# Altium PCB BB.PcbDoc (part 2 of 9)
Units mil, origin at the board's own origin, x right, y up, seen from the top; angles counter-clockwise.
Board outline 6860 x 3500 mil, 6 copper layers (Component Side, Ground Plane (GND), Inner Layer 1, Inner Layer 2, Power Plane (VCC), Solder Side), stack 51.068 mil thick; 496 components, 500 nets, 2194 pads, 1226 vias.
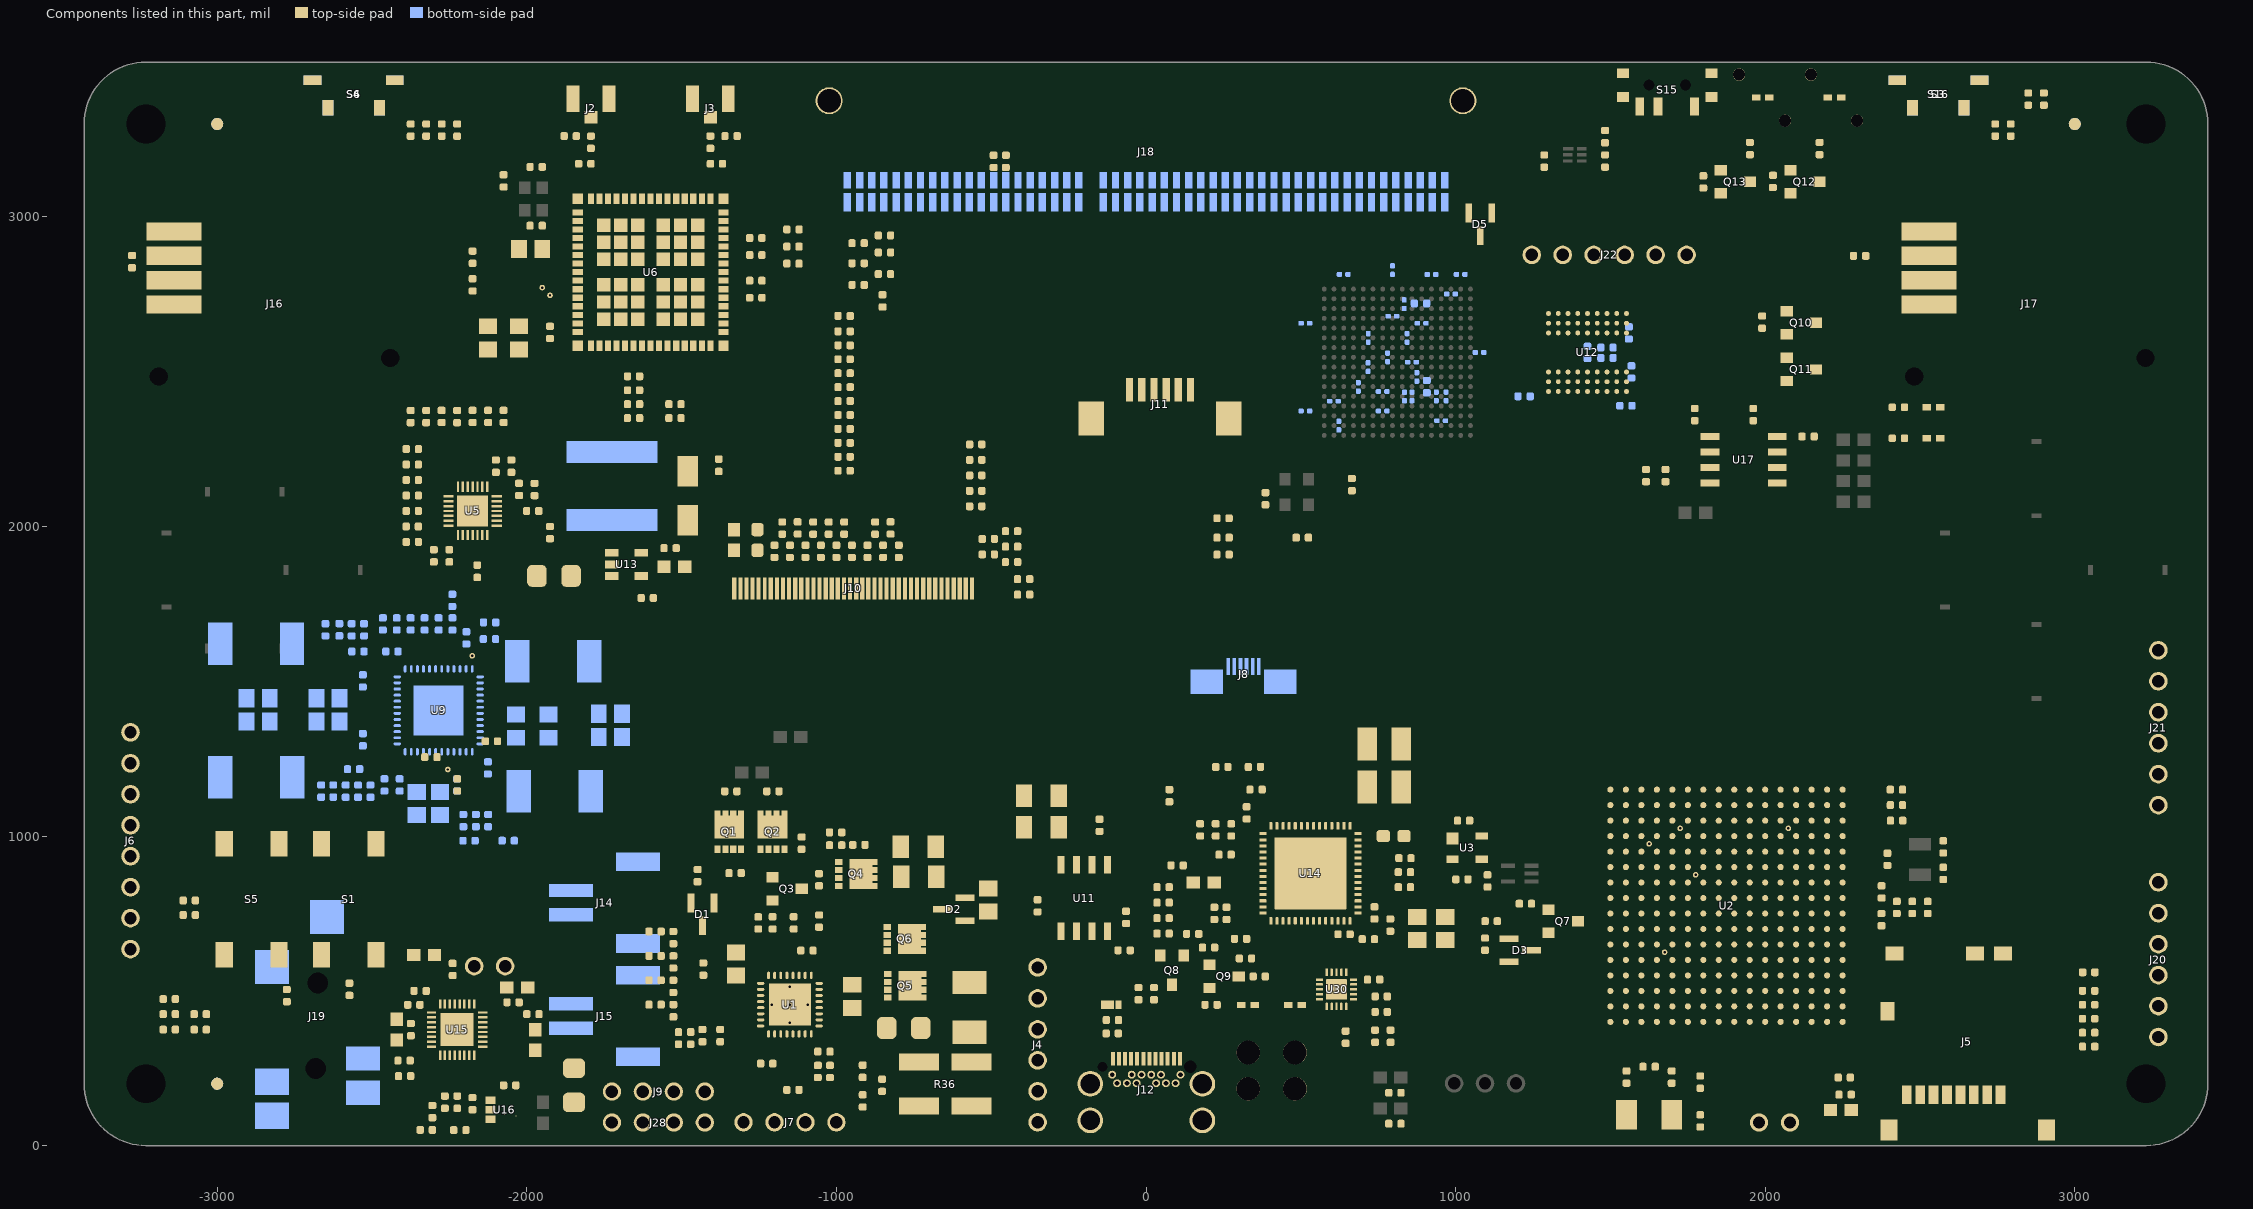
[diagram p6: the components of this part, seen from the top]

## Footprints (in the part's own frame and the unit in brackets; to place one, negate y for a bottom-side part, rotate by r counter-clockwise, add the part's x,y. Pads: shape width x height; smd on the part's side, far side on the other; paste and mask are expansions set on the pad) (continued)
MEC1-150-XX-XX-D-RAX-SL [mil]
  rect 24x53 smd mask+2: 1(-964.57,381.5) 3(-925.2,381.5) 5(-885.83,381.5) 7(-846.46,381.5) 9(-807.09,381.5) 11(-767.72,381.5) 13(-728.35,381.5) 15(-688.98,381.5) 17(-649.61,381.5) 19(-610.24,381.5) 21(-570.87,381.5) 23(-531.5,381.5) 25(-492.13,381.5) 27(-452.76,381.5) 29(-413.39,381.5) 31(-374.02,381.5) 33(-334.65,381.5) 35(-295.28,381.5) 37(-255.91,381.5) 39(-216.54,381.5) 41(-137.8,381.5) 43(-98.43,381.5) 45(-59.06,381.5) 47(-19.69,381.5) 49(19.68,381.5) 51(59.05,381.5) 53(98.42,381.5) 55(137.79,381.5) 57(177.16,381.5) 59(216.53,381.5) 61(255.9,381.5) 63(295.27,381.5) 65(334.64,381.5) 67(374.01,381.5) 69(413.38,381.5) 71(452.75,381.5) 73(492.12,381.5) 75(531.49,381.5) 77(570.86,381.5) 79(610.23,381.5) 81(649.6,381.5) 83(688.97,381.5) 85(728.34,381.5) 87(767.71,381.5) 89(807.08,381.5) 91(846.45,381.5) 93(885.82,381.5) 95(925.19,381.5) 97(964.56,381.5)
  rect 24x60 smd mask+2: 2(-964.57,453) 4(-925.2,453) 6(-885.83,453) 8(-846.46,453) 10(-807.09,453) 12(-767.72,453) 14(-728.35,453) 16(-688.98,453) 18(-649.61,453) 20(-610.24,453) 22(-570.87,453) 24(-531.5,453) 26(-492.13,453) 28(-452.76,453) 30(-413.39,453) 32(-374.02,453) 34(-334.65,453) 36(-295.28,453) 38(-255.91,453) 40(-216.54,453) 42(-137.8,453) 44(-98.43,453) 46(-59.06,453) 48(-19.69,453) 50(19.68,453) 52(59.05,453) 54(98.42,453) 56(137.79,453) 58(177.16,453) 60(216.53,453) 62(255.9,453) 64(295.27,453) 66(334.64,453) 68(374.01,453) 70(413.38,453) 72(452.75,453) 74(492.12,453) 76(531.49,453) 78(570.86,453) 80(610.23,453) 82(649.6,453) 84(688.97,453) 86(728.34,453) 88(767.71,453) 90(807.08,453) 92(846.45,453) 94(885.82,453) 96(925.19,453) 98(964.56,453)
  round 87 hole 76 mask+3: G1(-1023.62,125) G2(1023.62,125)
  Component Side region: 1023.62,25 1018.62,25 1018.62,80 1023.62,80 1023.62,25
  Component Side region: 987.66,31.66 983.04,33.57 1004.09,84.38 1008.71,82.47 987.66,31.66
  Component Side region: 954.68,52.52 951.14,56.06 990.03,94.95 993.57,91.41 954.68,52.52
  Component Side region: 932.19,84.42 930.28,89.04 981.09,110.09 983,105.47 932.19,84.42
  Component Side region: 923.62,122.5 923.62,127.5 978.62,127.5 978.62,122.5 923.62,122.5
  Component Side region: 929.32,158.65 931.23,163.27 982.05,142.22 980.13,137.6 929.32,158.65
  Component Side region: 949.37,192.18 952.91,195.71 991.8,156.82 988.26,153.28 949.37,192.18
  Component Side region: 980.73,215.47 985.35,217.39 1006.4,166.57 1001.78,164.66 980.73,215.47
  Component Side region: 1018.62,225 1023.62,225 1023.62,170 1018.62,170 1018.62,225
  Component Side region: 1023.62,175 1023.62,163.33 1013.7,162.02 1004.46,158.19 996.52,152.1 990.43,144.16 986.6,134.92 985.29,125 986.6,115.08 990.43,105.84 996.52,97.9 1004.46,91.81 1013.7,87.98 1023.62,86.67 1023.62,87 1023.62,74.57 1010.57,76.29 998.4,81.33 987.96,89.34 979.95,99.78 974.91,111.95 973.19,125 974.91,138.05 979.95,150.22 987.96,160.66 998.4,168.67 1010.57,173.71 1023.62,175.43 1023.62,175
  Component Side region: -1023.62,225 -1018.62,225 -1018.62,170 -1023.62,170 -1023.62,225
  Component Side region: -987.66,218.34 -983.04,216.43 -1004.09,165.62 -1008.71,167.53 -987.66,218.34
  Component Side region: -954.68,197.48 -951.14,193.94 -990.03,155.05 -993.57,158.59 -954.68,197.48
  Component Side region: -932.19,165.58 -930.28,160.96 -981.09,139.91 -983,144.53 -932.19,165.58
  Component Side region: -923.62,127.5 -923.62,122.5 -978.62,122.5 -978.62,127.5 -923.62,127.5
  Component Side region: -929.32,91.35 -931.23,86.73 -982.05,107.78 -980.13,112.4 -929.32,91.35
  Component Side region: -949.37,57.82 -952.91,54.29 -991.8,93.18 -988.26,96.72 -949.37,57.82
  Component Side region: -980.73,34.53 -985.35,32.61 -1006.4,83.43 -1001.78,85.34 -980.73,34.53
  Component Side region: -1018.62,25 -1023.62,25 -1023.62,80 -1018.62,80 -1018.62,25
  Component Side region: -1023.62,75 -1023.62,86.67 -1013.7,87.98 -1004.46,91.81 -996.52,97.9 -990.43,105.84 -986.6,115.08 -985.29,125 -986.6,134.92 -990.43,144.16 -996.52,152.1 -1004.46,158.19 -1013.7,162.02 -1023.62,163.33 -1023.62,163 -1023.62,175.43 -1010.57,173.71 -998.4,168.67 -987.96,160.66 -979.95,150.22 -974.91,138.05 -973.19,125 -974.91,111.95 -979.95,99.78 -987.96,89.34 -998.4,81.33 -1010.57,76.29 -1023.62,74.57 -1023.62,75
  silkscreen extent -1094,20 1094,493, body extent -1074,0 1073,471, height 272
MF05A_N [mm] "SOT23, 5-Leads, Body 2.9x1.6mm, Pitch 0.95mm, Lead Span 2.8mm, IPC Medium Density"
  rect 1.1x0.65 smd: 1(-1.2,0.95) 2(-1.2,0) 3(-1.2,-0.95) 4(1.2,-0.95) 5(1.2,0.95)
  silkscreen extent -1.32,-1.5 0.25,1.95, body extent -0.84,-1.49 0.84,1.5, height 1.19
"MICRO SD" [mm] "MICRO SD"
  rect 0.8x1.5 smd mask+0.05: 1(4.45,-3.75) 2(5.55,-3.75) 3(6.65,-3.75) 4(7.75,-3.75) 5(8.85,-3.75) 6(9.95,-3.75) 7(11.05,-3.75) 8(12.15,-3.75)
  rect 1.15x1.5 smd: 9(13.73,-10.6)
  rect 1.5x1.15 smd: 10(6.55,-15.325) S(4.25,-15.325) S(13.15,-15.325)
  rect 1.4x1.7 smd: S(0.7,-0.85) S(13.6,-0.85)
  Mechanical 1 keep-out region: 13.35,-9.65 13.85,-9.65 13.85,-8.65 13.35,-8.65
  Mechanical 1 keep-out region: 14.05,-13.15 11.15,-13.15 11.15,-14.55 14.05,-14.55
  Mechanical 1 keep-out region: 7.5,-15.45 8.5,-15.45 8.5,-14.95 7.5,-14.95
  silkscreen extent -1,-16.32 15.13,0.65, body extent 0.22,-15.82 14.03,-0.33, height 1.8
MICT-B4-54 [mm] "BGA, 54-Balls, Body 8x8mm, Pitch 0.8mm"
  round 0.4 smd: A1(-3.2,3.2) A2(-2.4,3.2) A3(-1.6,3.2) A7(1.6,3.2) A8(2.4,3.2) A9(3.2,3.2) B1(-3.2,2.4) B2(-2.4,2.4) B3(-1.6,2.4) B7(1.6,2.4) B8(2.4,2.4) B9(3.2,2.4) C1(-3.2,1.6) C2(-2.4,1.6) C3(-1.6,1.6) C7(1.6,1.6) C8(2.4,1.6) C9(3.2,1.6) D1(-3.2,0.8) D2(-2.4,0.8) D3(-1.6,0.8) D7(1.6,0.8) D8(2.4,0.8) D9(3.2,0.8) E1(-3.2,0) E2(-2.4,0) E3(-1.6,0) E7(1.6,0) E8(2.4,0) E9(3.2,0) F1(-3.2,-0.8) F2(-2.4,-0.8) F3(-1.6,-0.8) F7(1.6,-0.8) F8(2.4,-0.8) F9(3.2,-0.8) G1(-3.2,-1.6) G2(-2.4,-1.6) G3(-1.6,-1.6) G7(1.6,-1.6) G8(2.4,-1.6) G9(3.2,-1.6) H1(-3.2,-2.4) H2(-2.4,-2.4) H3(-1.6,-2.4) H7(1.6,-2.4) H8(2.4,-2.4) H9(3.2,-2.4) J1(-3.2,-3.2) J2(-2.4,-3.2) J3(-1.6,-3.2) J7(1.6,-3.2) J8(2.4,-3.2) J9(3.2,-3.2)
  silkscreen extent -4.77,-4 4,4, body extent -4,-4 4,4, height 0.3
MNT_4-40 [mil]
  round 0 hole 125 unplated mask+1.5: MOUNT(0,0)
MOC0100A [mm]
  rect 0.85x0.85 smd paste-0.069 mask-0.051: 1(-5.975,6.025) 17(-5.975,-6.025) 33(5.975,-6.025) 49(5.975,6.025)
  rect 0.85x0.5 smd paste-0.05 mask-0.051: 2(-5.975,4.9) 3(-5.975,4.2) 4(-5.975,3.5) 5(-5.975,2.8) 6(-5.975,2.1) 7(-5.975,1.4) 8(-5.975,0.7) 9(-5.975,0) 10(-5.975,-0.7) 11(-5.975,-1.4) 12(-5.975,-2.1) 13(-5.975,-2.8) 14(-5.975,-3.5) 15(-5.975,-4.2) 16(-5.975,-4.9) 34(5.975,-4.9) 35(5.975,-4.2) 36(5.975,-3.5) 37(5.975,-2.8) 38(5.975,-2.1) 39(5.975,-1.4) 40(5.975,-0.7) 41(5.975,0) 42(5.975,0.7) 43(5.975,1.4) 44(5.975,2.1) 45(5.975,2.8) 46(5.975,3.5) 47(5.975,4.2) 48(5.975,4.9)
  rect 0.5x0.85 smd paste-0.05 mask-0.051: 18(-4.9,-6.025) 19(-4.2,-6.025) 20(-3.5,-6.025) 21(-2.8,-6.025) 22(-2.1,-6.025) 23(-1.4,-6.025) 24(-0.7,-6.025) 25(0,-6.025) 26(0.7,-6.025) 27(1.4,-6.025) 28(2.1,-6.025) 29(2.8,-6.025) 30(3.5,-6.025) 31(4.2,-6.025) 32(4.9,-6.025) 50(4.9,6.025) 51(4.2,6.025) 52(3.5,6.025) 53(2.8,6.025) 54(2.1,6.025) 55(1.4,6.025) 56(0.7,6.025) 57(0,6.025) 58(-0.7,6.025) 59(-1.4,6.025) 60(-2.1,6.025) 61(-2.8,6.025) 62(-3.5,6.025) 63(-4.2,6.025) 64(-4.9,6.025)
  rect 1.1x1.1 smd paste-0.075 mask-0.051: G1(-3.85,3.85) G2(-3.85,2.45) G3(-3.85,1.05) G4(-3.85,-1.05) G5(-3.85,-2.45) G6(-3.85,-3.85) G7(-2.45,3.85) G8(-2.45,2.45) G9(-2.45,1.05) G10(-2.45,-1.05) G11(-2.45,-2.45) G12(-2.45,-3.85) G13(-1.05,3.85) G14(-1.05,2.45) G15(-1.05,1.05) G16(-1.05,-1.05) G17(-1.05,-2.45) G18(-1.05,-3.85) G19(1.05,3.85) G20(1.05,2.45) G21(1.05,1.05) G22(1.05,-1.05) G23(1.05,-2.45) G24(1.05,-3.85) G25(2.45,3.85) G26(2.45,2.45) G27(2.45,1.05) G28(2.45,-1.05) G29(2.45,-2.45) G30(2.45,-3.85) G31(3.85,3.85) G32(3.85,2.45) G33(3.85,1.05) G34(3.85,-1.05) G35(3.85,-2.45) G36(3.85,-3.85)
  silkscreen extent -6.85,-6.9 6.85,6.9
MOLX-52271-0679 [mm] "FPC Connector, 6-Leads, Right Angle, Pitch 1.0 mm, Mated Height 3.0 mm, SMT"
  rect 0.6x1.9 smd: 1(-2.5,1.175) 2(-1.5,1.175) 3(-0.5,1.175) 4(0.5,1.175) 5(1.5,1.175) 6(2.5,1.175)
  rect 2.1x2.8 smd: MP1(-5.65,-1.175) MP2(5.65,-1.175)
  silkscreen extent -6.5,-6.87 6.5,2.8, body extent -6.5,-6.87 6.5,1.83, height 3.01
OSD335X-BGA-256 [mil]
  rrect100% 19.69x19.69 smd: A1(-375,-375) A2(-375,-325) A3(-375,-275) A4(-375,-225) A5(-375,-175) A6(-375,-125) A7(-375,-75) A8(-375,-25) A9(-375,25) A10(-375,75) A11(-375,125) A12(-375,175) A13(-375,225) A14(-375,275) A15(-375,325) A16(-375,375) B1(-325,-375) B2(-325,-325) B3(-325,-275) B4(-325,-225) B5(-325,-175) B6(-325,-125) B7(-325,-75) B8(-325,-25) B9(-325,25) B10(-325,75) B11(-325,125) B12(-325,175) B13(-325,225) B14(-325,275) B15(-325,325) B16(-325,375) C1(-275,-375) C2(-275,-325) C3(-275,-275) C4(-275,-225) C5(-275,-175) C6(-275,-125) C7(-275,-75) C8(-275,-25) C9(-275,25) C10(-275,75) C11(-275,125) C12(-275,175) C13(-275,225) C14(-275,275) C15(-275,325) C16(-275,375) D1(-225,-375) D2(-225,-325) D3(-225,-275) D4(-225,-225) D5(-225,-175) D6(-225,-125) D7(-225,-75) D8(-225,-25) D9(-225,25) D10(-225,75) D11(-225,125) D12(-225,175) D13(-225,225) D14(-225,275) D15(-225,325) D16(-225,375) E1(-175,-375) E2(-175,-325) E3(-175,-275) E4(-175,-225) E5(-175,-175) E6(-175,-125) E7(-175,-75) E8(-175,-25) E9(-175,25) E10(-175,75) E11(-175,125) E12(-175,175) E13(-175,225) E14(-175,275) E15(-175,325) E16(-175,375) F1(-125,-375) F2(-125,-325) F3(-125,-275) F4(-125,-225) F5(-125,-175) F6(-125,-125) F7(-125,-75) F8(-125,-25) F9(-125,25) F10(-125,75) F11(-125,125) F12(-125,175) F13(-125,225) F14(-125,275) F15(-125,325) F16(-125,375) G1(-75,-375) G2(-75,-325) G3(-75,-275) G4(-75,-225) G5(-75,-175) G6(-75,-125) G7(-75,-75) G8(-75,-25) G9(-75,25) G10(-75,75) G11(-75,125) G12(-75,175) G13(-75,225) G14(-75,275) G15(-75,325) G16(-75,375) H1(-25,-375) H2(-25,-325) H3(-25,-275) H4(-25,-225) H5(-25,-175) H6(-25,-125) H7(-25,-75) H8(-25,-25) H9(-25,25) H10(-25,75) H11(-25,125) H12(-25,175) H13(-25,225) H14(-25,275) H15(-25,325) H16(-25,375) J1(25,-375) J2(25,-325) J3(25,-275) J4(25,-225) J5(25,-175) J6(25,-125) J7(25,-75) J8(25,-25) J9(25,25) J10(25,75) J11(25,125) J12(25,175) J13(25,225) J14(25,275) J15(25,325) J16(25,375) K1(75,-375) K2(75,-325) K3(75,-275) K4(75,-225) K5(75,-175) K6(75,-125) K7(75,-75) K8(75,-25) K9(75,25) K10(75,75) K11(75,125) K12(75,175) K13(75,225) K14(75,275) K15(75,325) K16(75,375) L1(125,-375) L2(125,-325) L3(125,-275) L4(125,-225) L5(125,-175) L6(125,-125) L7(125,-75) L8(125,-25) L9(125,25) L10(125,75) L11(125,125) L12(125,175) L13(125,225) L14(125,275) L15(125,325) L16(125,375) M1(175,-375) M2(175,-325) M3(175,-275) M4(175,-225) M5(175,-175) M6(175,-125) M7(175,-75) M8(175,-25) M9(175,25) M10(175,75) M11(175,125) M12(175,175) M13(175,225) M14(175,275) M15(175,325) M16(175,375) N1(225,-375) N2(225,-325) N3(225,-275) N4(225,-225) N5(225,-175) N6(225,-125) N7(225,-75) N8(225,-25) N9(225,25) N10(225,75) N11(225,125) N12(225,175) N13(225,225) N14(225,275) N15(225,325) N16(225,375) P1(275,-375) P2(275,-325) P3(275,-275) P4(275,-225) P5(275,-175) P6(275,-125) P7(275,-75) P8(275,-25) P9(275,25) P10(275,75) P11(275,125) P12(275,175) P13(275,225) P14(275,275) P15(275,325) P16(275,375) R1(325,-375) R2(325,-325) R3(325,-275) R4(325,-225) R5(325,-175) R6(325,-125) R7(325,-75) R8(325,-25) R9(325,25) R10(325,75) R11(325,125) R12(325,175) R13(325,225) R14(325,275) R15(325,325) R16(325,375) T1(375,-375) T2(375,-325) T3(375,-275) T4(375,-225) T5(375,-175) T6(375,-125) T7(375,-75) T8(375,-25) T9(375,25) T10(375,75) T11(375,125) T12(375,175) T13(375,225) T14(375,275) T15(375,325) T16(375,375)
  silkscreen extent -418,-418 418,418, body extent -413,-413 413,413, height 121
PCM_SMD_SWITCH [mil] "SMD Minature Switch"
  round 3.94 hole 35.43 paste+0 mask+0: 0(-59,0) 0(59,0)
  rect 28x59 smd: 1(-88,68.5) 2(30,68.5) 3(89,68.5)
  rect 39x32 smd: M(-143.5,-38.5) M(-143.5,38.5) M(143.5,-38.5) M(143.5,38.5)
  silkscreen extent -169,-55 114,89, body extent -120,-114 115,33, height 55
"Q_TDSON-8 NexFET" [mm] "Power MOSFET"
  rect 0.63x0.5 smd: 1(-1.435,0.975) 2(-1.435,0.325) 3(-1.435,-0.325) 4(-1.435,-0.975) 5(1.435,-0.975) 6(1.435,-0.325) 7(1.435,0.325) 8(1.435,0.975)
  rect 1.9x2.45 smd: TAB(0.39,0)
  silkscreen extent -2.25,-1.5 1.75,1.72, body extent -1.75,-1.23 1.77,1.25, height 1.1
QFN40P400X400X60_HS-29N [mm] "QFN, 28-Leads, Body 4.00x4.00mm, Pitch 0.40mm, Thermal Pad 2.65x2.65mm, IPC Medium Density"
  rect 0.85x0.2 smd mask+0.127: 1(-1.975,1.2) 2(-1.975,0.8) 3(-1.975,0.4) 4(-1.975,0) 5(-1.975,-0.4) 6(-1.975,-0.8) 7(-1.975,-1.2) 15(1.975,-1.2) 16(1.975,-0.8) 17(1.975,-0.4) 18(1.975,0) 19(1.975,0.4) 20(1.975,0.8) 21(1.975,1.2)
  rect 0.2x0.85 smd mask+0.127: 8(-1.2,-1.975) 9(-0.8,-1.975) 10(-0.4,-1.975) 11(0,-1.975) 12(0.4,-1.975) 13(0.8,-1.975) 14(1.2,-1.975) 22(1.2,1.975) 23(0.8,1.975) 24(0.4,1.975) 25(0,1.975) 26(-0.4,1.975) 27(-0.8,1.975) 28(-1.2,1.975)
  rect 2.565x2.565 smd mask+0.051: 29(0,0)
  silkscreen extent -2.97,-2.2 2.2,2.2, body extent -2.05,-2.05 2.05,2.05, height 0.6
QFN40P400X400X80_HS-33N [mm] "QFN, 32-Leads, Body 4.00x4.00mm, Pitch 0.40mm, Thermal Pad 2.70x2.70mm, IPC Medium Density"
  rect 0.75x0.2 smd mask+0.114: 1(-2.1,1.4) 2(-2.1,1) 3(-2.1,0.6) 4(-2.1,0.2) 5(-2.1,-0.2) 6(-2.1,-0.6) 7(-2.1,-1) 8(-2.1,-1.4) 17(2.1,-1.4) 18(2.1,-1) 19(2.1,-0.6) 20(2.1,-0.2) 21(2.1,0.2) 22(2.1,0.6) 23(2.1,1) 24(2.1,1.4)
  rect 0.2x0.75 smd mask+0.114: 9(-1.4,-2.1) 10(-1,-2.1) 11(-0.6,-2.1) 12(-0.2,-2.1) 13(0.2,-2.1) 14(0.6,-2.1) 15(1,-2.1) 16(1.4,-2.1) 25(1.4,2.1) 26(1,2.1) 27(0.6,2.1) 28(0.2,2.1) 29(-0.2,2.1) 30(-0.6,2.1) 31(-1,2.1) 32(-1.4,2.1)
  rect 2.7x2.7 smd mask+0.076: 33(0,0)
  silkscreen extent -2.97,-2.2 2.2,2.2, body extent -2.15,-2.15 2.15,2.15, height 0.8
R_0402 [mm] "Resistor 0402"
  rrect50% 0.6x0.65 smd: 1(-0.5,0) 2(0.5,0)
R_0603 [mm] "Resistor 0603"
  rrect50% 1.1x1 smd: 1(-0.85,0) 2(0.85,0)
  silkscreen extent -0.1,-0.45 0.1,0.45, body extent -0.8,-0.4 0.8,0.4, height 0.3
R_1206 [mm] "Resistor 1206"
  rrect50% 1.6x1.8 smd: 1(-1.4,0) 2(1.4,0)
  silkscreen extent -0.4,-0.8 0.4,0.8, body extent -1.6,-0.8 1.6,0.8, height 1
R_LVK25_0.003 [mm]
  rect 1.4x3.3 smd: 1(-1.8,-2.15) 2(1.8,-2.15) 3(1.8,2.15) 4(-1.8,2.15)
  silkscreen extent -1.81,-4.26 0.3,3.8, body extent -2.22,-3.82 2.19,3.8, height 1.3
RA_LIGHTPIPE [mm]
  round 1.93 hole 1.93 unplated mask+0.1: ""(0,-2.97) ""(0,0)
  body extent -1.78,-11.58 1.78,5.18, height 5.27
RGZ0048B [mm]
  oval 0.6x0.24 smd paste+0 mask+0.051: 1(-3.4,2.75) 2(-3.4,2.25) 3(-3.4,1.75) 4(-3.4,1.25) 5(-3.4,0.75) 6(-3.4,0.25) 7(-3.4,-0.25) 8(-3.4,-0.75) 9(-3.4,-1.25) 10(-3.4,-1.75) 11(-3.4,-2.25) 12(-3.4,-2.75) 25(3.4,-2.75) 26(3.4,-2.25) 27(3.4,-1.75) 28(3.4,-1.25) 29(3.4,-0.75) 30(3.4,-0.25) 31(3.4,0.25) 32(3.4,0.75) 33(3.4,1.25) 34(3.4,1.75) 35(3.4,2.25) 36(3.4,2.75)
  oval 0.24x0.6 smd paste+0 mask+0.051: 13(-2.75,-3.4) 14(-2.25,-3.4) 15(-1.75,-3.4) 16(-1.25,-3.4) 17(-0.75,-3.4) 18(-0.25,-3.4) 19(0.25,-3.4) 20(0.75,-3.4) 21(1.25,-3.4) 22(1.75,-3.4) 23(2.25,-3.4) 24(2.75,-3.4) 37(2.75,3.4) 38(2.25,3.4) 39(1.75,3.4) 40(1.25,3.4) 41(0.75,3.4) 42(0.25,3.4) 43(-0.25,3.4) 44(-0.75,3.4) 45(-1.25,3.4) 46(-1.75,3.4) 47(-2.25,3.4) 48(-2.75,3.4)
  rect 4.1x4.1 smd paste-2.037 mask+0.051: 49(0,0)
  silkscreen extent -3.72,-3.72 3.72,3.72
RHB0032E [mm]
  oval 0.6x0.24 smd paste-0.102 mask+0.051: 1(-2.4,1.75) 2(-2.4,1.25) 3(-2.4,0.75) 4(-2.4,0.25) 5(-2.4,-0.25) 6(-2.4,-0.75) 7(-2.4,-1.25) 8(-2.4,-1.75) 17(2.4,-1.75) 18(2.4,-1.25) 19(2.4,-0.75) 20(2.4,-0.25) 21(2.4,0.25) 22(2.4,0.75) 23(2.4,1.25) 24(2.4,1.75)
  oval 0.24x0.6 smd paste-0.102 mask+0.051: 9(-1.75,-2.4) 10(-1.25,-2.4) 11(-0.75,-2.4) 12(-0.25,-2.4) 13(0.25,-2.4) 14(0.75,-2.4) 15(1.25,-2.4) 16(1.75,-2.4) 25(1.75,2.4) 26(1.25,2.4) 27(0.75,2.4) 28(0.25,2.4) 29(-0.25,2.4) 30(-0.75,2.4) 31(-1.25,2.4) 32(-1.75,2.4)
  round 0.5 hole 0.203 mask+0.051: 33(-1.475,0) 33(0,-1.475) 33(0,0) 33(0,1.475) 33(1.475,0)
  rect 3.45x3.45 smd paste-1.712 mask+0.051: 33(0,0)
  silkscreen extent -2.72,-2.73 2.72,2.73
RHLGA [mm]
  rect 0.6x0.8 smd: 1(0.783,1.696) 2(-0.004,1.696) 3(-0.792,1.696)
  rect 0.05x0.05 smd: 4(-0.525,-0.403) 4(-0.403,0.525) 4(0.403,-0.525) 4(0.525,0.403)
  Component Side region: 0.667,0.512 0.694,0.474 0.698,0.469 0.701,0.464 0.701,0.464 0.726,0.424 0.729,0.419 0.732,0.413 0.732,0.413 0.754,0.372 0.757,0.366 0.759,0.36 0.759,0.36 0.778,0.318 0.778,0.318 0.781,0.312 0.783,0.307 0.783,0.307 0.782,0.307 0.78,0.313 0.778,0.318 0.778,0.318 0.783,0.307 0.793,0.279 0.803,0.202 0.778,0.128 0.724,0.072 0.65,0.045 0.573,0.053 0.506,0.093 0.463,0.159 0.463,0.159 0.455,0.181 0.441,0.213 0.425,0.244 0.406,0.274 0.386,0.302 0.363,0.329 0.339,0.354 0.313,0.378 0.286,0.399 0.257,0.419 0.222,0.439 0.158,0.504 0.135,0.591 0.135,0.591 0.15,0.662 0.193,0.722 0.256,0.758 0.329,0.765 0.398,0.743 0.398,0.743 0.439,0.719 0.444,0.716 0.449,0.712 0.449,0.712 0.488,0.686 0.493,0.682 0.499,0.678 0.499,0.678 0.535,0.65 0.54,0.646 0.545,0.642 0.545,0.642 0.545,0.641 0.54,0.646 0.535,0.65 0.535,0.65 0.535,0.65 0.545,0.641 0.579,0.61 0.584,0.606 0.588,0.601 0.588,0.601 0.621,0.567 0.625,0.563 0.629,0.558 0.629,0.558 0.659,0.522 0.663,0.517 0.667,0.512
  Component Side region: -0.292,0.798 -0.32,0.788 -0.325,0.786 -0.331,0.783 -0.331,0.783 -0.331,0.783 -0.374,0.764 -0.374,0.764 -0.374,0.764 -0.374,0.764 -0.374,0.764 -0.379,0.762 -0.385,0.759 -0.385,0.759 -0.426,0.737 -0.432,0.734 -0.437,0.731 -0.437,0.731 -0.477,0.706 -0.482,0.703 -0.487,0.699 -0.487,0.699 -0.525,0.672 -0.53,0.668 -0.535,0.664 -0.535,0.664 -0.571,0.634 -0.576,0.63 -0.58,0.626 -0.58,0.626 -0.614,0.593 -0.619,0.589 -0.623,0.584 -0.623,0.584 -0.654,0.55 -0.659,0.545 -0.663,0.54 -0.663,0.54 -0.663,0.54 -0.691,0.504 -0.695,0.498 -0.699,0.493 -0.699,0.493 -0.725,0.454 -0.729,0.449 -0.732,0.443 -0.732,0.443 -0.756,0.403 -0.773,0.361 -0.779,0.315 -0.779,0.315 -0.756,0.227 -0.692,0.163 -0.604,0.14 -0.517,0.163 -0.452,0.227 -0.452,0.227 -0.432,0.262 -0.412,0.291 -0.391,0.318 -0.367,0.344 -0.342,0.368 -0.315,0.391 -0.287,0.411 -0.257,0.43 -0.226,0.446 -0.194,0.46 -0.172,0.468 -0.106,0.511 -0.066,0.578 -0.058,0.655 -0.085,0.729 -0.141,0.783 -0.215,0.808 -0.292,0.798
  Component Side region: -0.357,-0.362 -0.331,-0.386 -0.304,-0.407 -0.275,-0.427 -0.24,-0.447 -0.183,-0.501 -0.154,-0.573 -0.161,-0.651 -0.2,-0.719 -0.264,-0.762 -0.342,-0.774 -0.416,-0.751 -0.416,-0.751 -0.457,-0.727 -0.462,-0.724 -0.467,-0.72 -0.467,-0.72 -0.506,-0.694 -0.511,-0.69 -0.517,-0.686 -0.517,-0.686 -0.553,-0.658 -0.553,-0.658 -0.558,-0.653 -0.563,-0.649 -0.563,-0.649 -0.597,-0.618 -0.602,-0.614 -0.606,-0.609 -0.606,-0.609 -0.639,-0.575 -0.643,-0.571 -0.647,-0.566 -0.647,-0.566 -0.677,-0.53 -0.681,-0.525 -0.685,-0.52 -0.685,-0.52 -0.712,-0.482 -0.716,-0.477 -0.719,-0.472 -0.719,-0.472 -0.744,-0.432 -0.747,-0.427 -0.75,-0.421 -0.75,-0.421 -0.75,-0.421 -0.747,-0.426 -0.744,-0.432 -0.744,-0.432 -0.744,-0.432 -0.75,-0.421 -0.772,-0.38 -0.772,-0.38 -0.775,-0.374 -0.777,-0.368 -0.777,-0.368 -0.777,-0.369 -0.775,-0.374 -0.772,-0.38 -0.772,-0.38 -0.777,-0.368 -0.796,-0.326 -0.796,-0.326 -0.799,-0.32 -0.801,-0.315 -0.801,-0.315 -0.811,-0.287 -0.819,-0.258 -0.821,-0.227 -0.821,-0.227 -0.803,-0.148 -0.751,-0.086 -0.677,-0.054 -0.596,-0.059 -0.526,-0.099 -0.481,-0.167 -0.481,-0.167 -0.473,-0.189 -0.459,-0.221 -0.443,-0.252 -0.424,-0.282 -0.404,-0.31 -0.381,-0.337
  Component Side region: 0.738,-0.411 0.714,-0.452 0.711,-0.457 0.707,-0.463 0.707,-0.463 0.681,-0.501 0.678,-0.506 0.674,-0.511 0.674,-0.511 0.674,-0.511 0.645,-0.548 0.645,-0.548 0.644,-0.548 0.644,-0.548 0.645,-0.548 0.641,-0.553 0.636,-0.558 0.636,-0.558 0.605,-0.592 0.601,-0.597 0.596,-0.601 0.596,-0.601 0.596,-0.602 0.563,-0.633 0.558,-0.638 0.553,-0.642 0.553,-0.642 0.517,-0.672 0.512,-0.676 0.507,-0.68 0.507,-0.68 0.469,-0.707 0.464,-0.711 0.459,-0.714 0.459,-0.714 0.419,-0.739 0.419,-0.739 0.414,-0.742 0.408,-0.745 0.408,-0.745 0.367,-0.767 0.361,-0.77 0.356,-0.772 0.356,-0.772 0.356,-0.772 0.313,-0.791 0.313,-0.791 0.312,-0.791 0.312,-0.791 0.313,-0.791 0.307,-0.794 0.302,-0.796 0.302,-0.796 0.274,-0.806 0.191,-0.815 0.114,-0.785 0.058,-0.722 0.039,-0.641 0.039,-0.641 0.053,-0.572 0.093,-0.514 0.154,-0.476 0.154,-0.476 0.176,-0.468 0.208,-0.454 0.239,-0.438 0.269,-0.419 0.297,-0.399 0.324,-0.376 0.349,-0.352 0.373,-0.326 0.394,-0.299 0.414,-0.27 0.434,-0.235 0.488,-0.178 0.56,-0.149 0.638,-0.156 0.706,-0.195 0.749,-0.259 0.761,-0.337 0.738,-0.411